# Altium PCB PCB1.PcbDoc
Units mm, origin at the board's own origin, x right, y up, seen from the top; angles counter-clockwise.
Board outline 70 x 35 mm, 2 copper layers (Top Layer, Bottom Layer); 63 components, 39 nets, 198 pads, 56 vias.
Unrouted connection lines stored in the file: 26.
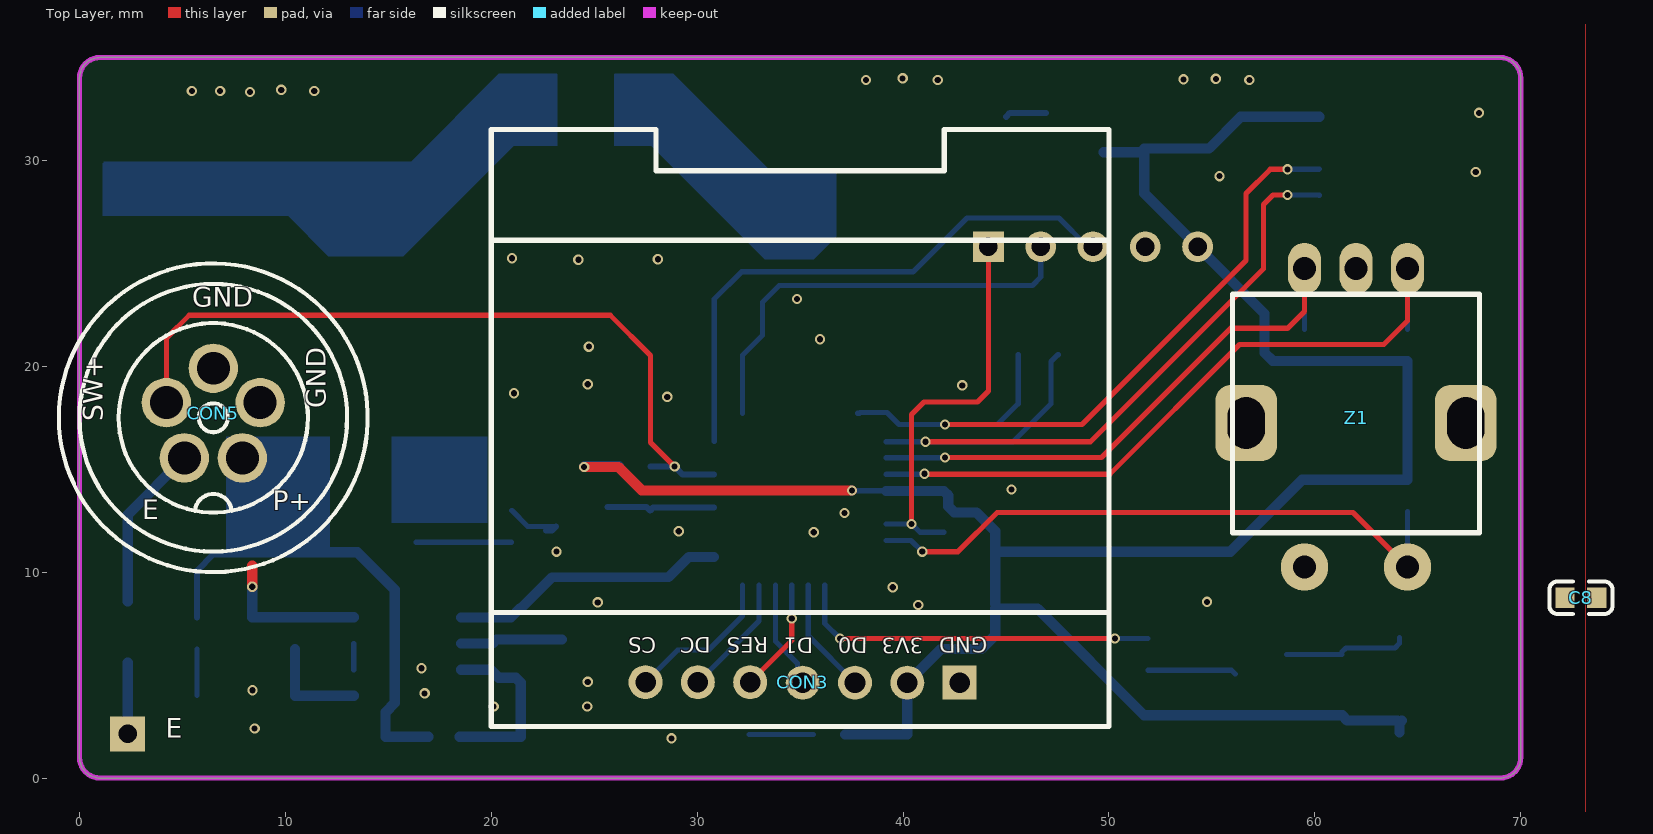
[diagram p0: Top Layer view]
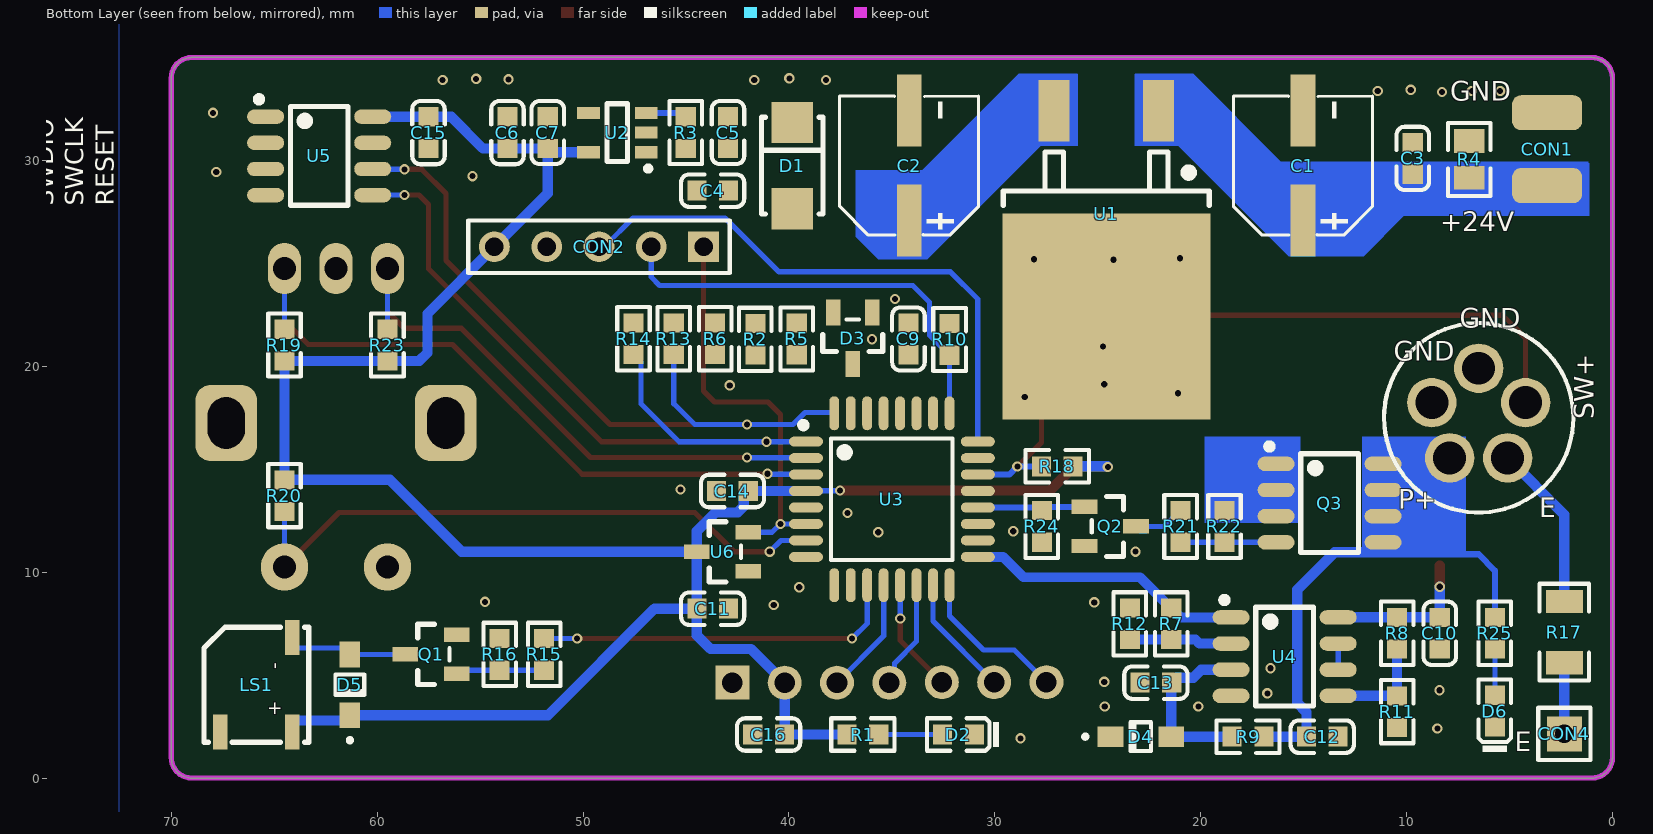
[diagram p1: Bottom Layer view, seen from below]

## Layer stack, top to bottom
Top Solder: solder mask 0.0102, Solder Resist, Dk 3.5
Top Layer: signal copper 0.0356
Dielectric 1: dielectric 0.32, FR-4, Dk 4.8
Bottom Layer: signal copper 0.0356
Bottom Solder: solder mask 0.0102, Solder Resist, Dk 3.5

## Board outline
0,1 0,34 cw(c1,34) 1,35 69,35 cw(c69,34) 70,34 70,1 cw(c69,1) 69,0 1,0 cw(c1,1)

## Design rules (kind name [scope] priority, off if disabled: settings)
Clearance Clearance_1 [InNet('+24V')] p1: gap=0.381 ignorepadtopadclearanceinfootprint=FALSE
Clearance Clearance_5 [InNet('+5V')] p2: gap=0.254 ignorepadtopadclearanceinfootprint=FALSE
Clearance Clearance_2 [InNet('PWM')] p3: gap=0.2 ignorepadtopadclearanceinfootprint=FALSE
Clearance Clearance_4 [InNet('NetD6_2')] p4: gap=0.2 ignorepadtopadclearanceinfootprint=FALSE
Clearance Clearance_3 [InNet('P+')] p5: gap=0.381 ignorepadtopadclearanceinfootprint=FALSE
Clearance [All] p6: gap=0.152 ignorepadtopadclearanceinfootprint=FALSE
ComponentClearance [All] p1 off: gap=0.254 collisioncheckmode=3 verticalgap=0.254 showdistances=FALSE
PolygonConnect [All] p1: connectstyle=Direct reliefconductorwidth=0.254 reliefentries=4 polygonreliefangle="90 Angle" airgapwidth=0.254
RoutingVias [All] p1: holewidth=0.711 width=1.27 viastyle="Through Hole" minholewidth=0.711 minwidth=1.27 maxholewidth=0.711 maxwidth=1.27
SolderMaskExpansion [All] p1: expansion=0.102 istentingtop=FALSE
Width [All] p1: maxlimit=2 minlimit=0.152 preferedwidth=0.254
29 further rules are at their usual default settings.

## Components (designator, comment, footprint, x,y, rotation, side; value= is the part's Value field where it differs from the comment)
C1 "Cap Pol1" CAP-SMD_BD6.3-L6.6-W6.6-FD 15.037,29.748 r90 bottom value=100uF/35V
C2 "Cap Pol1" CAP-SMD_BD6.3-L6.6-W6.6-FD 34.163,29.748 r90 bottom value=100uF/16V
C3 "0.1uF" 0603_C 9.703,30.099 r270 bottom
C4 "0.1uF" 0603_C 43.704,28.533 r180 bottom
C5 "1uF" 0603_C 42.959,31.353 r270 bottom
C6 "1uF" 0603_C 53.669,31.349 r270 bottom
C7 "0.1uF" 0603_C 51.714,31.353 r270 bottom
C8 "22nF" 0603_C 72.923,8.763 r0 top
C9 "0.1uF" 0603_C 34.196,21.33 r270 bottom
C10 "0.1uF" 0603_C 8.394,7.035 r270 bottom
C11 "0.1uF" 0603_C 43.704,8.23 r0 bottom
C12 "1uF/50V" 0603_C 14.097,2.014 r0 bottom
C13 "2.2nF" 0603_C 22.179,4.638 r180 bottom
C14 "0.1uF" 0603_C 42.744,13.943 r180 bottom
C15 "0.1uF" 0603_C 57.506,31.349 r270 bottom
C16 "1uF" 0603_C 40.987,2.117 r0 bottom
CON1 "HDR1x2" HDR2.54-LI-2p 3.175,30.048 r90 bottom
CON2 "H7-Tool SWD" HDR1X5 44.145,25.806 r0 bottom
CON3 "OLED 7Pin" "0.96 OLED SPI" 35,17 r180 top locked
CON4 "HDR1x1" HDR2.54-LI-1P 2.338,2.144 r90 bottom
CON5 "HDR1x5" T12_SOCKET 6.5,17.5 r0 top locked
D1 "SS14" SMA(DO-214AC)_S1 39.84,29.748 r270 bottom
D2 "LED" 0603_LED_S1 31.766,2.117 r0 bottom
D3 "BAT54S" SOT-23(SOT-23-3) 36.901,21.366 r90 bottom
D4 "1N4148 T4" SOD-123_MARK 22.914,2.014 r180 bottom
D5 "1N4148 T4" SOD-123_MARK 61.325,4.533 r90 bottom
D6 "LED" 0603_LED_S1 5.715,3.251 r90 bottom
LS1 "GSC8525RA-16R2700" BUZ-SMD_L5.0-W5.5-P4.60 65.865,4.533 r90 bottom
Q1 "SS8050" SOT-23(SOT-23-3) 57.383,6.008 r180 bottom
Q2 "2N7002" SOT-23(SOT-23-3) 24.396,12.222 r0 bottom
Q3 "NCE4435" SOP-8_150mil 13.741,13.357 r270 bottom
R1 "10K" 0603_R 36.409,2.117 r0 bottom
R2 "47K" 0603_R 41.631,21.311 r90 bottom
R3 "10K" 0603_R 45.012,31.353 r270 bottom
R4 "MOV 30V" 0805_R 6.96,30.048 r90 bottom
R5 "1K" 0603_R 39.617,21.33 r270 bottom
R6 "4.7K" 0603_R 43.586,21.336 r270 bottom
R7 "200K" 0603_R 21.434,7.493 r90 bottom
R8 "10K" 0603_R 10.465,7.035 r270 bottom
R9 "10K" 0603_R 17.704,2.014 r0 bottom
R10 "10K" 0603_R 32.2,21.304 r90 bottom
R11 "10K" 0603_R 10.465,3.225 r270 bottom
R12 "1K" 0603_R 23.441,7.493 r90 bottom
R13 "10K" 0603_R 45.593,21.336 r270 bottom
R14 "10K" 0603_R 47.549,21.336 r270 bottom
R15 "4.7K" 0603_R 51.892,6.008 r270 bottom
R16 "47K" 0603_R 54.051,6.008 r90 bottom
R17 "100R" 1206_R 2.338,7.087 r90 bottom
R18 "10K" 0603_R 26.97,15.139 r180 bottom
R19 "10K" 0603_R 64.5,21.031 r270 bottom
R20 "10K" 0603_R 64.5,13.716 r270 bottom
R21 "1K" 0603_R 20.98,12.222 r270 bottom
R22 "2K" 0603_R 18.847,12.222 r90 bottom
R23 "10K" 0603_R 59.5,21.031 r270 bottom
R24 "4.7K" 0603_R 27.715,12.222 r90 bottom
R25 "47K" 0603_R 5.713,7.035 r90 bottom
U1 "L7805CD2T-TR" TO-263-2 24.587,32.41 r90 bottom
U2 "RT9193-33GB" SOT-23-5 48.337,31.353 r180 bottom
U3 "STM32G030K6T6" LQFP-32_7X7X08P 35,13.543 r270 bottom
U4 "LMV358IDR" SOP-8_150mil 15.926,5.9 r270 bottom
U5 "24C01" SOP-8_150mil 62.814,30.218 r270 bottom
U6 "MAX809T" SOT-23(SOT-23-3) 43.224,10.988 r180 bottom
Z1 "EC11" EC11-B 62,17.5 r90 top locked

## Footprints (in the part's own frame and the unit in brackets; to place one, negate y for a bottom-side part, rotate by r counter-clockwise, add the part's x,y. Pads: shape width x height; smd on the part's side, far side on the other; paste and mask are expansions set on the pad)
"0.96 OLED SPI" [mm]
  rect 1.65x1.65 hole 1 paste-2539.97 mask+0.051: 1(-7.747,12.363)
  round 1.65 hole 1 paste-2539.97 mask+0.051: 2(-5.207,12.366) 3(-2.667,12.366) 4(-0.127,12.366) 5(2.426,12.342) 6(4.966,12.342) 7(7.506,12.342)
  silkscreen extent -15,-14.5 15,14.5
0603_C [mm]
  rect 0.93x0.98 smd: 1(-0.77,0) 2(0.77,0)
  silkscreen extent -1.53,-0.79 1.54,0.79, body extent -0.8,-0.4 0.8,0.4, height 0.3
0603_LED_S1 [mm]
  rect 0.93x0.98 smd: A(0.77,0) K(-0.77,0)
  silkscreen extent -1.97,-0.79 1.54,0.79, body extent -0.8,-0.4 0.8,0.4, height 0.6
0603_R [mm]
  rect 0.93x0.98 smd: 1(-0.77,0) 2(0.77,0)
  silkscreen extent -1.53,-0.79 1.54,0.79, body extent -0.85,-0.4 0.85,0.4, height 0.56
0805_R [mm]
  rect 1.16x1.47 smd: 1(-0.89,0) 2(0.89,0)
  silkscreen extent -1.77,-1.04 1.77,1.03, body extent -1,-0.63 1,0.63, height 0.49
1206_R [mm]
  rect 1.13x1.8 smd: 1(-1.49,0) 2(1.49,0)
  silkscreen extent -2.36,-1.2 2.35,1.2, body extent -1.7,-0.86 1.65,0.87, height 0.85
BUZ-SMD_L5.0-W5.5-P4.60 [mm]
  rect 1.7x0.7 smd: 1(-2.3,-1.75) 2(2.3,-1.75) 3(-2.3,1.75)
  silkscreen extent -2.79,-2.54 2.79,2.54
CAP-SMD_BD6.3-L6.6-W6.6-FD [mm]
  rect 3.5x1.2 smd: 1(-2.67,0) 2(2.67,0)
  silkscreen extent -3.38,-3.38 3.38,3.38
EC11-B [mm] "数字开关编码器"
  rrect50% 3.7x3 hole 1.8 slot 2.5 at 0 deg: 0(-0.254,5.334) 0(-0.254,-5.334)
  round 2.3 hole 1.1: 1(-7.25,2.5) 2(-7.25,-2.5)
  oval 2.5x1.6 hole 1.1: A(7.25,-2.5) B(7.25,2.5) C(7.25,0)
  silkscreen extent -5.59,-6 6,6, body extent -7.4,-6.24 7.4,6.24, height 22
HDR1X5 [mm] "Connector; Header; 5 Position"
  rect 1.5x1.5 hole 0.9: 1(0,0)
  round 1.5 hole 0.9: 2(2.54,0) 3(5.08,0) 4(7.62,0) 5(10.16,0)
  silkscreen extent -1.27,-1.27 11.43,1.27
HDR2.54-LI-1P [mm] "排针，1脚"
  rect 1.7x1.7 hole 0.9: 1(0,0)
  silkscreen extent -1.27,-1.27 1.27,1.27, body extent -1.27,-1.27 1.27,1.27, height 8.5
HDR2.54-LI-2p [mm] "排针，2脚"
  rrect50% 1.7x3.4 smd: 1(-1.27,0) 2(2.27,0)
  body extent -2.54,-1.27 2.54,1.27, height 8.5
LQFP-32_7X7X08P [mm]
  oval 0.48x1.65 smd: 1(-2.8,-4.175) 2(-2,-4.175) 3(-1.2,-4.175) 4(-0.4,-4.175) 5(0.4,-4.175) 6(1.2,-4.175) 7(2,-4.175) 8(2.8,-4.175) 17(2.8,4.175) 18(2,4.175) 19(1.2,4.175) 20(0.4,4.175) 21(-0.4,4.175) 22(-1.2,4.175) 23(-2,4.175) 24(-2.8,4.175)
  oval 1.65x0.48 smd: 9(4.175,-2.8) 10(4.175,-2) 11(4.175,-1.2) 12(4.175,-0.4) 13(4.175,0.4) 14(4.175,1.2) 15(4.175,2) 16(4.175,2.8) 25(-4.175,2.8) 26(-4.175,2) 27(-4.175,1.2) 28(-4.175,0.4) 29(-4.175,-0.4) 30(-4.175,-1.2) 31(-4.175,-2) 32(-4.175,-2.8)
  silkscreen extent -3.75,-4.45 2.95,2.95
SMA(DO-214AC)_S1 [mm]
  rect 2x2 smd: 1(2.1,0) 2(-2.1,0)
  silkscreen extent -2.35,-1.5 2.35,1.5
SOD-123_MARK [mm]
  rect 1.25x1 smd: 1(1.475,0) 2(-1.475,0)
  silkscreen extent -2.79,-0.7 0.5,0.7, body extent -1.85,-0.77 1.85,0.78, height 1.35
SOP-8_150mil [mm]
  oval 0.7x1.8 smd: 1(-1.905,-2.6) 2(-0.635,-2.6) 3(0.635,-2.6) 4(1.905,-2.6) 5(1.905,2.6) 6(0.635,2.6) 7(-0.635,2.6) 8(-1.905,2.6)
  silkscreen extent -2.9,-3.08 2.4,1.4, body extent -2.5,-3.1 2.5,3.1, height 1.75
SOT-23(SOT-23-3) [mm]
  rect 1.25x0.7 smd: 1(1.25,-0.95) 2(1.25,0.95) 3(-1.25,0)
  silkscreen extent -0.65,-1.46 0.9,1.46, body extent -1.5,-1.5 1.5,1.5, height 1.3
SOT-23-5 [mm]
  rect 1.1x0.6 smd: 1(1.4,-0.95) 2(1.4,0) 3(1.4,0.95) 4(-1.4,0.95) 5(-1.4,-0.95)
  silkscreen extent -0.5,-1.87 1.62,1.4
T12_SOCKET [mm]
  round 2.4 hole 1.6: 1(-1.408,-1.948) 2(-2.279,0.735) 3(0,2.405) 4(2.279,0.735) 5(1.408,-1.948)
  silkscreen extent -7.5,-7.5 7.5,7.5
TO-263-2 [mm]
  rect 3x1.5 smd: 1(0,-2.54) 3(0,2.54)
  rect 10x10.1 smd: 2(-10,0)
  silkscreen extent -4.6,-5 -2,5, body extent -14.12,-5.33 1.12,5.34, height 4.83

## Part data
C1 C2: "Polarized Capacitor (Radial)", LatestRevisionDate=17-Jul-2002, LatestRevisionNote="Re-released for DXP Platform.", PackageDescription="Polarized Capacitor (Radial); 2 Leads", PackageReference=RB7.6-15, Published=8-Jun-2000, Publisher="Altium Limited"
C3 C4 C5 C6 C7 C8 C9 C10 C11 C12 C13 C14 C15 C16: library part "0603 100nF (104) 10% 50V", "贴片电容", Package=0603, SuppliersPartNumber=C14663, ComponentLink1Description=供应商链接, ComponentLink1URL=http://www.szlcsc.com/product/details_15331.html, Supplier=LC
D1 D2 D4 D5 D6: library part Diode, "二极管", Package=SMA(DO-214AC), SuppliersPartNumber=C95872, ComponentLink1Description=供应商链接, ComponentLink1URL=http://www.szlcsc.com/product/details_2841.html, Notepad="1N4007 4007 编号C2464 已经停售, 使用新物料编号C95872", Supplier=LC
D3: "二极管"
LS1: library part SPEAKER, JLC_CODE=C255314, Manufacturer=INGHAi, Para="85dB @ 3V, 10cm", PartNumber=GSC8525RA-16R2700, PCB Footprint=BUZ-SMD_GSC85, Propety=蜂鸣器
Q1: "NPN General Purpose Amplifier"
Q2: library part AO3416, "N-Channel Power MOSFET", ComponentLink1Description="Manufacturer Link", ComponentLink1URL=http://www.irf.com/, DatasheetVersion=PD-9.390D, LatestRevisionDate=17-Jul-2002, LatestRevisionNote="Re-released for DXP Platform.", Note="Pin 4 not drawn and electrically connected to Pin 2.", PackageDescription="TO, Thru-Hole, Vertical, Heatsink Mounted; 3 In-Line Leads; Pitch 2.54 mm", PackageReference=TO-220AB, PackageVersion=Feb-1997, Published=8-Jun-2000, Publisher="Altium Limited"
Q3: library part TPC8107, "P-CH, 30V -13A 5.5mR"
R1 R2 R3 R4 R5 R6 R7 R8 R9 R10 R11 R12 R13 R14 R15 R16 R17 R18 R19 R20 R21 R22 R23 R24 R25: library part RES, "Resistor"
U1: library part 78M05
U3: "No Description Available", Mfr_Name=STMicroelectronics, RefDes=RefDes, Type=Type
U4: library part LM358, "通用运放", Package=SOIC-8, SuppliersPartNumber=C7950, ComponentLink1Description=供应商链接, ComponentLink1URL=http://www.szlcsc.com/product/details_8427.html, Supplier=LC
U5: library part 24LC64
U6: "3.08v"

## Via types
v1: diameter 0.5, hole 0.3, Top Layer to Bottom Layer, tented both sides, 56 vias

## Nets (pads, with @x,y where several pads share a name; then routed paths per layer and width w, separated by ;. In a path a pad name is that pad's centre, name@x,y a point inside that pad or via, vN(x,y) a via of type N, cw(c..) or ccw(c..) an arc to the next point about the centre after c; other vN are vias at no path point)
24V_ADC: C9.2 D3.3 R5.2 U3.31
+3.3V: C6.2 C7.2 C10.1 C11.2 C14.2 C15.1 C16.1 CON2.5 CON3.2 D3.2 D5.2 LS1.1 R1.2 R8.1 R13.1 R14.1 R18.2 R19.2 R20.1 R23.2 U2.5 U3.4 U4.8 U5.8 U6.3 | length 126.7
  Top Layer w0.5: v1(8.394,9.296) 8.394,10.325 ; v1(24.511,15.113) 26.162,15.113 27.305,13.97 v1(37.516,13.97)
  Bottom Layer w0.254: v1(37.516,13.97) 37.529,13.956 39.161,13.956 U3.4@39.173,13.945
  Bottom Layer w0.48: U3.4 C14.2
  Bottom Layer w0.5: v1(8.394,9.296) C10.1 U4.8 ; v1@24.537,15.139 R18.2 ; R1.2 C16.1 40.207,2.127 CON3.2 41.847,6.274 43.815,6.274 44.474,6.933 C11.2 46.533,8.23 51.704,3.058 D5.2 61.325,3.044 61.575,2.794 64.015,2.794 LS1.1@64.115,2.694 ; C14.2 42.189,13.728 42.189,13.196 42.482,12.903 43.561,12.903 44.474,11.99 U6.3 ; C11.2@44.474,8.458 U6.3 ; U2.5 C7.2@51.714,30.403 ; C6.2@53.665,30.583 C7.2 C7.2@51.714,30.403 ; C6.2 54.861,30.579 56.405,32.123 U5.8 ; LS1.1 LS1.1@64.115,2.694 ; LS1.1@64.215,2.794 LS1.1@64.115,2.694 ; U6.3 55.896,10.988 59.393,14.486 R20.1 R19.2 R23.2 57.945,20.261 57.556,20.65 57.556,22.555 CON2.5 51.714,28.397 C7.2@51.714,30.403
+5V: C2.1 C4.2 D1.1 U1.3
+24V: C1.1 C3.2 CON1.1 Q3.1 Q3.2 Q3.3 R2.1 R4.1 R22.2 U1.1
BUZZER: R15.1 U3.11 | length 17.9
  Top Layer w0.254: v1(36.935,6.778) v1(50.289,6.778)
  Bottom Layer w0.254: U3.11 36.2,7.513 v1(36.935,6.778) ; v1(50.289,6.778) R15.1
EC11_A: R19.1 U3.3 Z1.A | length 33.9
  Top Layer w0.254: v1(41.046,14.783) 41.072,14.757 50.038,14.757 56.337,21.057 63.348,21.057 64.5,22.209 Z1.A
  Bottom Layer w0.254: U3.3 39.195,14.763 41.026,14.763 v1(41.046,14.783) ; R19.1 Z1.A
EC11_B: R23.1 U3.2 Z1.B | length 28.3
  Top Layer w0.254: v1(42.037,15.57) 49.632,15.57 55.905,21.844 58.674,21.844 59.5,22.67 Z1.B
  Bottom Layer w0.254: U3.2 39.189,15.557 42.023,15.557 v1(42.037,15.57) ; R23.1 Z1.B
EC11_D: R20.2 U3.7 Z1.2 | length 30.1
  Top Layer w0.254: v1(40.931,10.998) 42.672,10.998 44.577,12.903 61.847,12.903 Z1.2
  Bottom Layer w0.254: U3.7 40.386,11.543 v1(40.931,10.998) ; Z1.2 R20.2
G031RST: CON2.1 U3.6 U6.2 | length 19.5
  Top Layer w0.254: v1(40.413,12.343) 40.413,17.655 41.021,18.263 43.612,18.263 44.145,18.796 CON2.1
  Bottom Layer w0.254: U3.6 v1(40.413,12.343) 40.817,11.938 U6.2
GND: C1.2 C2.2 C3.1 C4.1 C5.1 C6.1 C7.1 C8.1 C9.1 C10.2 C11.1 C12.1 C13.1 C14.1 C15.2 C16.2 CON1.2 CON2.4 CON3.1 CON5.3 CON5.4 D2.K D3.1 D4.2 D6.K Q1.2 Q2.2 R4.2 R6.2 R10.2 R11.2 R12.2 R16.2 R24.1 U1.2 U2.2 U3.5 U4.4 U5.1 U5.2 U5.3 U5.4 U5.7 U6.1 Z1.1 Z1.C
  other v1: 28.753,1.93 8.509,2.413 20.117,3.48 24.663,3.48 16.764,4.115 8.407,4.267 24.689,4.674 16.612,5.334 40.742,8.407 25.171,8.534 54.762,8.56 39.497,9.271 23.165,10.998 35.662,11.938 29.108,11.989 37.16,12.878 45.263,14.021 28.55,18.517 21.107,18.694 42.875,19.075 24.689,19.126 24.74,20.955 35.966,21.311 34.849,23.266 24.232,25.171 28.092,25.197 21.006,25.248 55.372,29.235 67.818,29.439 67.97,32.309 8.28,33.325 5.461,33.376 6.833,33.376 11.405,33.376 9.804,33.426 38.202,33.909 41.681,33.909 56.82,33.909 53.619,33.934 55.194,33.96 39.98,33.985
NetC5_2: C5.2 D1.2 R3.2 U2.1
NetC8_2: C8.2 U2.4
NetC13_2: C13.2 D4.1 R9.2 U4.3 | length 8.8
  Bottom Layer w0.5: R9.2 D4.1 21.439,4.632 21.194,4.877 20.371,4.877 19.983,5.265 U4.3
NetCON4_1: CON4.1 R17.1 | length 3.5
  Bottom Layer w0.5: CON4.1 R17.1
NetCON5_1: CON5.1 R17.2 | length 8.1
  Bottom Layer w0.5: R17.2 2.338,12.799 CON5.1
NetD2_A: D2.A R1.1 | length 3.1
  Bottom Layer w0.254: D2.A R1.1
NetD5_1: D5.1 LS1.2 Q1.3 | length 5.9
  Bottom Layer w0.254: Q1.3 D5.1 ; D5.1@61.325,6.133 61.516,6.325 63.892,6.325 64.115,6.548 LS1.2
NetD6_A: D6.A R25.1 | length 2.2
  Bottom Layer w0.254: R25.1 5.715,6.263 D6.A
NetQ1_1: Q1.1 R15.2 R16.1 | length 4.3
  Bottom Layer w0.254: R15.2 R16.1 55.953,5.238 Q1.1
NetQ2_3: Q2.3 R21.1 | length 3
  Bottom Layer w0.254: R21.1 21.005,12.992 21.775,12.222 Q2.3
  Bottom Layer w0.3: Q2.3@22.665,12.022 22.946,12.022 Q2.3
NetQ3_4: Q3.4 R21.2 R22.1 | length 4.6
  Bottom Layer w0.254: Q3.4 R22.1 R21.2
NetR2_2: R2.2 R5.1 R6.1
NetR3_1: R3.1 U2.3 | length 2
  Bottom Layer w0.3: R3.1 45.192,32.303 U2.3
NetR7_1: R7.1 R12.1 U4.2 | length 5
  Bottom Layer w0.48: U4.2 20.073,6.535 20.261,6.723 R7.1 R12.1
NetR8_2: R8.2 R11.1 U4.5 | length 5.1
  Bottom Layer w0.5: R8.2 R11.1 U4.5
NetU4_6: U4.6 U4.7 | length 1.3
  Bottom Layer w0.254: U4.6 U4.7
P+: C12.2 CON5.5 Q3.5 Q3.6 Q3.7 Q3.8 R9.1 R25.2 | length 22.8
  Bottom Layer w0.3: R25.2 5.713,10.082 6.5,10.869 10.558,10.869 Q3.5
  Bottom Layer w0.5: Q3.5 11.625,10.969 13.491,10.969 15.316,9.144 15.316,3.658 14.867,3.208 C12.2 R9.1
PWM: Q2.1 R24.2 U3.20 | length 5.3
  Bottom Layer w0.3: Q2.1 27.535,13.172 R24.2 27.865,13.143 U3.20
SCL: R13.2 U3.32 U5.6 | length 36.1
  Top Layer w0.254: v1(42.037,17.17) 48.692,17.17 56.658,25.137 56.658,28.388 57.836,29.566 v1(58.674,29.566)
  Bottom Layer w0.254: U3.32 37.868,17.718 37.904,17.755 39.218,17.755 39.802,17.17 44.577,17.17 45.593,18.186 R13.2 ; v1(58.674,29.566) 58.683,29.574 60.206,29.574 U5.6
SDA: R14.2 U3.1 U5.5 | length 37.3
  Top Layer w0.254: v1(41.095,16.332) 49.098,16.332 57.506,24.74 57.506,27.864 57.963,28.321 v1(58.674,28.321)
  Bottom Layer w0.254: U3.1 39.18,16.338 41.09,16.338 v1(41.095,16.332) 45.339,16.332 47.186,18.179 47.186,20.228 47.524,20.566 R14.2 ; v1(58.674,28.321) 58.678,28.317 60.21,28.317 U5.5
SPI_CLK: CON3.3 U3.12 | length 5.7
  Bottom Layer w0.254: U3.12 35.4,6.901 CON3.3
SPI_CS: CON3.7 U3.16 | length 7.5
  Bottom Layer w0.254: CON3.7 29.059,6.223 30.556,6.223 32.2,7.867 U3.16
SPI_DAT: CON3.4 U3.14 | length 5.3
  Bottom Layer w0.254: U3.14 33.8,6.643 34.869,5.574 34.869,4.892 CON3.4
SPI_DC: CON3.6 U3.15 | length 5.9
  Bottom Layer w0.254: CON3.6 33,7.624 U3.15
SPI_RST: CON3.5 U3.13 | length 5.5
  Top Layer w0.254: CON3.5 34.597,6.682 v1(34.597,7.75)
  Bottom Layer w0.254: v1(34.597,7.75) 34.597,9.365 U3.13
SW+: CON5.2 R18.1 U3.22 | length 37.1
  Top Layer w0.254: CON5.2 4.221,21.366 5.334,22.479 25.781,22.479 27.74,20.52 27.74,16.304 v1(28.905,15.138)
  Bottom Layer w0.3: R18.1 v1(28.905,15.138) ; v1@28.959,15.138 v1(28.905,15.138) ; U3.22 29.301,14.743 v1(28.905,15.138)
SWCLK: CON2.2 R10.1 U3.25 | length 21.3
  Bottom Layer w0.254: U3.25 R10.1 33.172,21.507 33.172,23.114 33.985,23.927 46.279,23.927 46.685,24.333 CON2.2
SWDIO: CON2.3 U3.24 | length 27.2
  Bottom Layer w0.254: U3.24 30.825,23.256 32.156,24.587 40.488,24.587 43.104,27.203 47.575,27.203 CON2.3@48.925,25.854
T12_ADC: R7.2 U3.17 U4.1 | length 13.5
  Bottom Layer w0.48: U4.1 20.951,7.805 R7.2@21.409,8.263 ; R7.2@21.459,8.263 22.949,9.754 28.6,9.754 29.59,10.743 U3.17
pads on no net: LS1.3 U3.8 U3.9 U3.10 U3.18 U3.19 U3.21 U3.23 U3.26 U3.27 U3.28 U3.29 U3.30 Z1.0

## Polygon pours and split planes (outlines as drawn)
GND on Bottom Layer "NONET_L02_P000" (solid, remove dead copper, shelved, pour order 0): 72.517,38.151 -2.794,38.151 -2.794,-2.362 72.517,-2.362
GND on Top Layer "NONET_L01_P001" (solid, remove dead copper, shelved, pour order 1): -2.184,38.227 73.127,38.227 73.127,-2.286 -2.184,-2.286

## Keep-outs
Keep-Out Layer:
  the board outline again, w0.254

## Other copper
Bottom Layer:
  rectangle net +24V: 15.164,12.395 19.812,16.586
  rectangle net P+: 7.112,10.719 12.167,16.586
  region net +5V: 36.754,26.289 35.662,25.197 33.274,25.197 27.762,30.709 25.984,30.709 25.984,34.188 26.01,34.214 28.829,34.214 33.528,29.515 36.754,29.515
  region net +24V: 1.168,29.896 1.143,29.87 1.143,27.305 10.135,27.305 12.09,25.349 15.723,25.349 21.082,30.709 23.216,30.709 23.216,34.188 23.19,34.214 20.371,34.214 16.104,29.947 1.168,29.947

## Silkscreen, mask and mechanical layers (free items; w line width, h text height)
Top Overlay:
  text "GND" at 5.488,22.567 h1.6
  text "GND" at 12.282,17.959 h1.6 r90
  text "SW+" at 1.436,17.324 h1.6 r90
  text "P+" at 9.398,12.7 h1.6
  text "E" at 3.049,12.268 h1.6
  text "E" at 4.203,1.646 h1.6
Bottom Overlay:
  text "GND" at 7.873,32.575 h1.6
  text "G" at 78.152,30.301 h1.52 r270
  text "V" at 80.573,30.312 h1.52 r270
  text "RESET" at 72.503,27.795 h1.52 r270
  text "SWCLK" at 73.976,27.796 h1.52 r270
  text "SWDIO" at 75.449,27.796 h1.52 r270
  text "+24V" at 8.357,26.238 h1.6
  text "GND" at 7.415,21.551 h1.6
  text "GND" at 10.616,19.951 h1.6
  text "SW+" at 0.596,17.426 h1.6 r270
  text "P+" at 10.414,12.776 h1.6
  text "E" at 3.555,12.344 h1.6
  text "E" at 4.74,2.555 h1.6 r180

## Text inside footprints (layer, text, board x,y; h text height)
CON3: Top Overlay "CS" at 28.002,7.072 h1.27 r180; Top Overlay "DC" at 30.669,7.072 h1.27 r180; Top Overlay "RES" at 33.463,7.072 h1.27 r180; Top Overlay "D1" at 35.647,7.061 h1.27 r180; Top Overlay "D0" at 38.289,7.061 h1.27 r179; Top Overlay "3V3" at 40.981,7.061 h1.27 r180; Top Overlay "GND" at 44.091,7.113 h1.27 r181
LS1: Bottom Overlay "+" at 64.688,3.009 h0.65 r270; Bottom Overlay "-" at 64.688,5.295 h0.65 r270